# Allegro board DPU_PoE_A1_Oct-9-26.brd (continued)
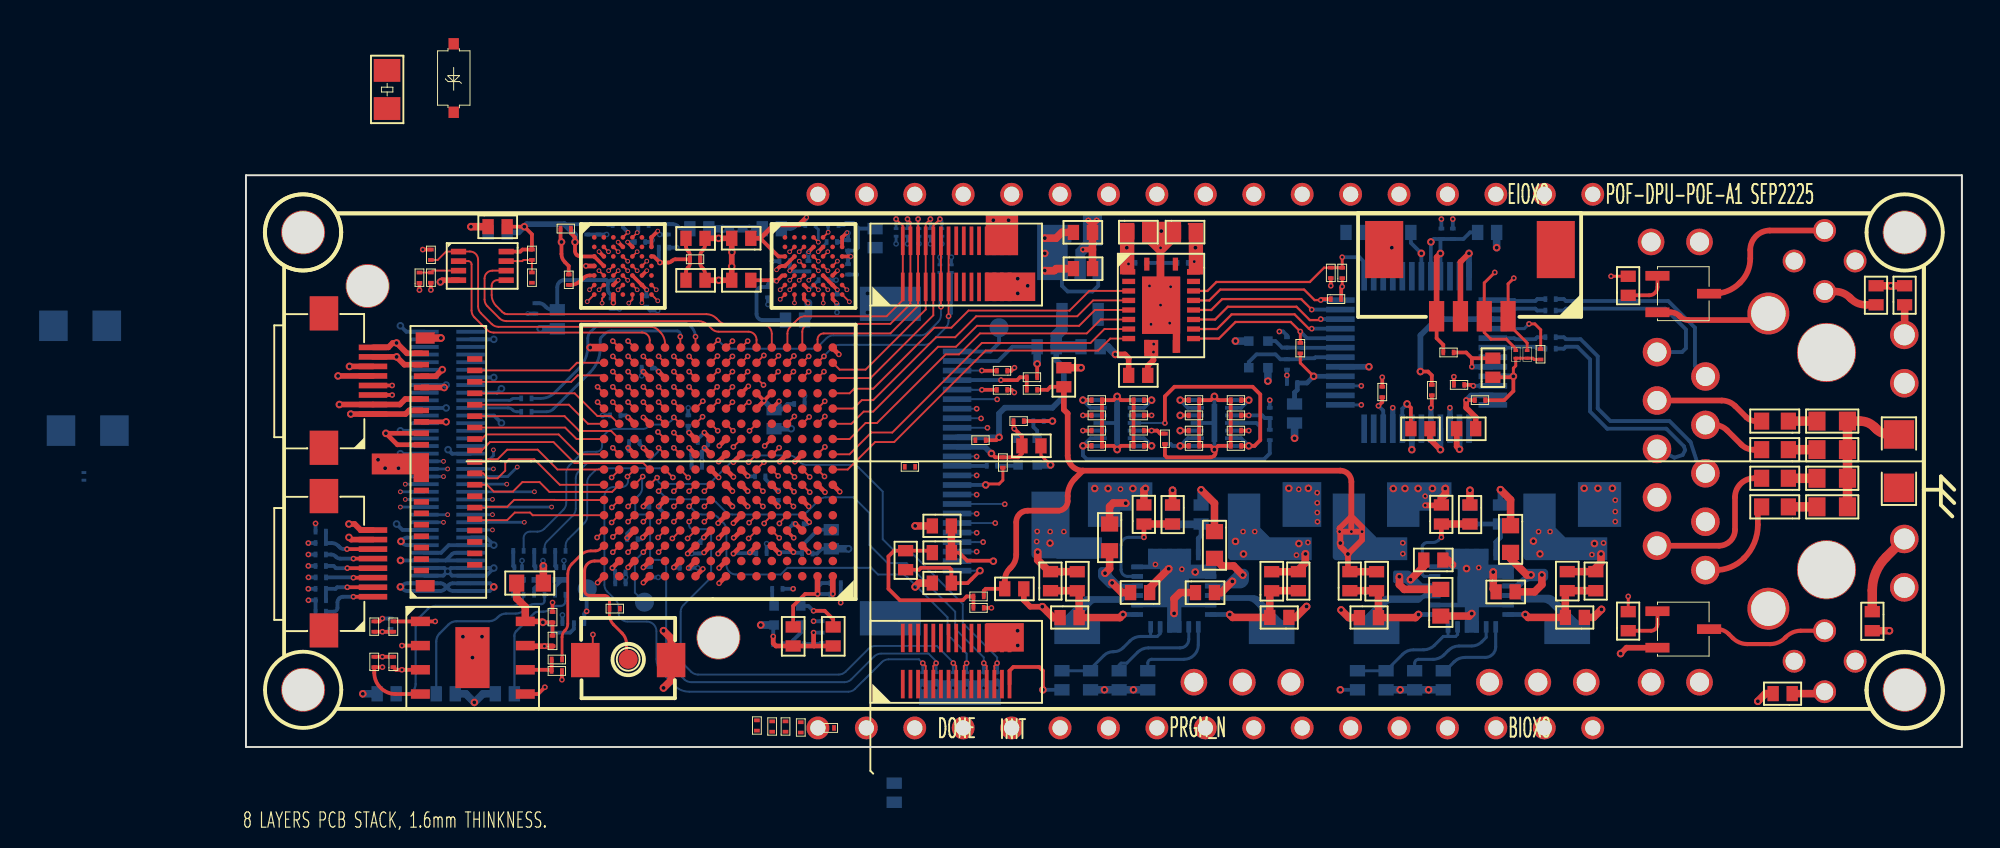
[diagram p0: board, top side]
## Routing (per net, layer and track width the routed paths; a pad name or vN(x,y) marks a point on that pad's centre or on a via; arc(x,y) is an arc through that point) (continued)
  BOTTOM w0.15: J7.23 v3(8.1,12.59)
IR_D6: length 6.8
  TOP w0.102: v1(24.04,11.82) U7.E9
  SIG-3 w0.102: 17.6,13.74 17.44,13.74 arc(17.25,13.7) 17.08,13.59 16.08,12.59 v3(16.03,12.59)
  BOTTOM w0.15: J7.24 v3(16.03,12.59)
IR_D7: length 15.3
  TOP w0.102: v1(19.18,14.14) 19.56,14.52 19.58,14.52
  SIG-3 w0.102: v1(19.18,14.14) 17.24,14.14 arc(17.05,14.1) 16.88,13.99 15.68,12.79 arc(15.47,12.65) 15.22,12.6 12.24,12.6 arc(11.99,12.65) 11.78,12.79 11.73,12.84 arc(11.56,12.95) 11.37,12.99 9.98,12.99 arc(9.77,12.9) 9.68,12.69 9.68,11.82 arc(9.65,11.75) 9.58,11.72 9.15,11.72 9.08,11.79 9.08,12.74 arc(9.01,12.92) 8.83,12.99 v3(8.36,12.99)
  BOTTOM w0.15: J7.25 v3(8.36,12.99)
IR_D8: length 15.3
  TOP w0.102: v1(24.04,13.42) U7.G9
  SIG-3 w0.102: v3(12.93,12.99) 15.12,12.99 arc(15.31,13.03) 15.48,13.14 16.73,14.39 arc(16.9,14.5) 17.09,14.54 19.01,14.54 19.79,14.54 19.88,14.62 20.21,14.62 20.29,14.54 20.59,14.54 20.64,14.59 20.98,14.59 21.02,14.54 22.56,14.54 22.72,14.39 22.89,14.39 23.04,14.54 23.82,14.54 23.83,14.54 24.16,14.54 24.17,14.54 24.24,14.54 arc(24.43,14.47) 24.5,14.28 24.5,13.7 24.22,13.42 v1(24.04,13.42)
  BOTTOM w0.15: J7.26 v3(12.93,12.99)
IR_D9: length 15.8
  TOP w0.102: v1(19.24,15.7) U7.J15
  SIG-3 w0.102: v3(8.1,13.39) 9.13,13.39 arc(9.2,13.36) 9.23,13.29 9.23,13.14 arc(9.26,13.07) 9.33,13.04 9.41,13.04 arc(9.47,13.05) 9.52,13.08 9.53,13.1 arc(9.57,13.15) 9.58,13.2 9.58,13.24 arc(9.62,13.35) 9.73,13.39 10.32,13.39 10.47,13.24 10.62,13.24 10.7,13.32 10.7,13.41 10.78,13.49 10.93,13.49 11.08,13.34 11.34,13.34 11.39,13.39 11.88,13.39 11.98,13.29 11.98,13.09 12.13,12.94 12.43,12.94 12.53,13.04 12.53,13.29 12.64,13.4 13.45,13.4 13.59,13.27 13.77,13.27 13.89,13.39 14.37,13.39 arc(14.56,13.43) 14.73,13.54 16.33,15.14 arc(16.5,15.25) 16.69,15.29 17.39,15.29 arc(17.43,15.3) 17.48,15.33 17.49,15.34 arc(17.52,15.38) 17.53,15.43 17.53,15.5 arc(17.54,15.55) 17.57,15.59 17.58,15.6 arc(17.62,15.63) 17.67,15.64 17.69,15.64 arc(17.74,15.63) 17.78,15.6 17.79,15.59 arc(17.82,15.55) 17.83,15.5 17.83,15.43 arc(17.84,15.38) 17.87,15.34 17.88,15.33 arc(17.93,15.3) 17.97,15.29 18.84,15.29 v1(19.24,15.7)
  BOTTOM w0.15: J7.27 v3(8.1,13.39)
IR_D10: length 15.5
  TOP w0.102: v1(25.57,15.74) 25.98,16.16
  SIG-3 w0.102: v3(15.13,13.39) 16.48,14.74 arc(16.64,14.85) 16.84,14.89 19.22,14.89 arc(19.27,14.9) 19.32,14.93 19.34,14.95 arc(19.38,14.98) 19.44,14.99 22.51,14.99 arc(22.57,14.98) 22.63,14.94 22.64,14.93 arc(22.7,14.89) 22.77,14.88 23.8,14.88 arc(24,14.91) 24.16,15.02 24.33,15.19 arc(24.5,15.3) 24.69,15.34 25.34,15.34 25.57,15.56 v1(25.57,15.74)
  BOTTOM w0.15: J7.28 v3(15.13,13.39)
IR_D11: length 15.8
  TOP w0.102: 21.98,16.16 v1(21.61,16.53)
  SIG-3 w0.102: v3(8.36,13.79) 12.97,13.79 arc(13.16,13.83) 13.33,13.94 13.55,14.16 arc(13.58,14.18) 13.62,14.19 14.17,14.19 arc(14.36,14.23) 14.53,14.34 16.53,16.34 arc(16.7,16.45) 16.89,16.49 21.57,16.49 v1(21.61,16.53)
  BOTTOM w0.15: J7.29 v3(8.36,13.79)
IR_D12: length 15.4
  TOP w0.102: v1(22.44,15.7) U7.J11
  SIG-3 w0.102: v1(22.44,15.7) 22.44,15.66 22.85,15.25 arc(23.19,15.11) 23.54,15.25 arc(23.61,15.35) 23.63,15.48 23.63,15.94 arc(23.6,16.01) 23.53,16.04 16.99,16.04 arc(16.8,16) 16.63,15.89 14.68,13.94 arc(14.51,13.83) 14.32,13.79 v3(13.68,13.79)
  BOTTOM w0.15: J7.30 v3(13.68,13.79)
IR_D13: length 15.1
  TOP w0.102: v1(21.64,17.3) U7.L12
  SIG-3 w0.102: v3(10.36,14.19) 12.92,14.19 arc(13.11,14.23) 13.28,14.34 14.08,15.14 arc(14.19,15.31) 14.23,15.5 14.23,16.33 arc(14.42,16.8) 14.89,16.99 arc(15.02,16.97) 15.12,16.9 arc(15.36,16.8) 15.59,16.9 15.83,17.14 arc(16.01,17.26) 16.21,17.3 19.04,17.3 arc(19.23,17.34) 19.38,17.44 19.48,17.54 arc(19.65,17.65) 19.84,17.69 21.25,17.69 v1(21.64,17.3)
  BOTTOM w0.15: J7.31 v3(10.36,14.19)
IR_D14: length 15.1
  TOP w0.102: 22.78,16.16 v1(22.44,16.5)
  SIG-3 w0.102: v1(22.44,16.5) 22.04,16.9 19.21,16.9 19.12,16.99 18.97,16.99 18.82,16.84 18.66,16.84 18.51,16.99 18.36,16.99 18.21,16.84 18.05,16.84 17.9,16.99 17.75,16.99 17.6,16.84 17.44,16.84 17.29,16.99 17.14,16.99 16.99,16.84 16.83,16.84 16.68,16.99 16.53,16.99 15.7,16.16 15.57,16.16 15.25,16.48 15.12,16.48 15.03,16.39 15.03,16.27 15.36,15.94 15.36,15.82 15.27,15.73 15.14,15.73 14.82,16.05 14.69,16.05 14.6,15.96 14.6,15.84 14.93,15.51 14.93,15.39 v3(14.23,14.69)
  BOTTOM w0.15: J7.32 13.73,14.19 v3(14.23,14.69)
IR_D15: length 15.1
  TOP w0.102: U7.M16 v1(18.44,18.1)
  SIG-3 w0.102: v1(18.44,18.1) 18.44,18.1 15.07,18.1 arc(14.93,18.13) 14.81,18.21 14.23,18.79 arc(14.06,18.9) 13.87,18.94 12.98,18.94 arc(12.77,18.85) 12.68,18.64 12.68,18.35 arc(12.64,18.16) 12.53,17.99 12.38,17.84 arc(12.27,17.67) 12.23,17.48 12.23,17.24 arc(12.38,16.89) 12.73,16.74 13.03,16.74 arc(13.24,16.65) 13.33,16.44 13.33,15.44 arc(13.24,15.23) 13.03,15.14 12.19,15.14 arc(12,15.1) 11.83,14.99 11.58,14.74 arc(11.41,14.63) 11.22,14.59 v3(10.58,14.59)
  BOTTOM w0.15: J7.33 v3(10.58,14.59)
IR_HSYNC: length 15.5
  TOP w0.102: v1(19.24,18.1) U7.M15
  SIG-3 w0.102: v1(19.24,18.1) 18.79,17.64 15.64,17.64 arc(15.58,17.63) 15.54,17.6 15.52,17.58 arc(15.48,17.55) 15.42,17.54 14.68,17.54 arc(14.61,17.57) 14.58,17.64 14.58,17.7 arc(14.55,17.83) 14.48,17.94 13.93,18.49 arc(13.63,18.61) 13.33,18.49 13.18,18.34 arc(13.15,18.27) 13.18,18.19 13.2,18.17 arc(13.34,18.07) 13.51,18.04 13.7,18.04 arc(13.82,18.02) 13.92,17.95 13.93,17.94 arc(13.97,17.84) 13.93,17.74 13.92,17.73 arc(13.82,17.66) 13.7,17.64 12.89,17.64 arc(12.81,17.62) 12.74,17.58 arc(12.69,17.45) 12.74,17.33 12.81,17.26 arc(12.89,17.21) 12.97,17.19 13.83,17.19 arc(13.9,17.16) 13.93,17.09 13.93,17.03 arc(13.9,16.9) 13.83,16.79 13.81,16.77 arc(13.73,16.66) 13.71,16.52 13.71,15.59 arc(13.65,15.29) 13.48,15.04 13.03,14.59 v3(12.98,14.59)
  BOTTOM w0.15: J7.34 v3(12.98,14.59)
IR_PCLK: length 15.2
  TOP w0.102: v1(20.04,18.1) U7.M14
  SIG-3 w0.102: v3(12.98,15.59) 12.98,15.89 arc(12.95,15.96) 12.88,15.99 12.18,15.99 arc(11.93,16.09) 11.83,16.34 11.83,17.64 arc(11.87,17.82) 11.97,17.98 11.99,18 arc(12.09,18.16) 12.13,18.34 12.13,19.14 arc(12.19,19.28) 12.33,19.34 14.12,19.34 arc(14.31,19.3) 14.48,19.19 15.03,18.64 arc(15.18,18.54) 15.37,18.5 19.64,18.5 v1(20.04,18.1)
  BOTTOM w0.15: J7.36 12.68,14.99 12.98,15.29 v3(12.98,15.59)
IR_PWR_EN: length 1.3
  TOP w0.2: R73.2 v1(52.6,16.6)
  BOTTOM w0.2: U5.5 v1(52.6,16.6)
IR_UART_RX: length 11
  TOP w0.102: v1(22.78,21.53) U7.T11
  BOTTOM w0.15: 22.78,21.49 v1(22.78,21.53) 22.78,21.67 arc(22.73,21.78) 22.62,21.83 19.18,21.83 arc(18.99,21.79) 18.82,21.68 18.62,21.48 arc(18.59,21.44) 18.58,21.38 18.58,20.93 arc(18.44,20.25) 18.06,19.67 16.13,17.74 arc(15.96,17.63) 15.77,17.59 R69.1
IR_UART_TX: length 11.9
  TOP w0.102: v1(23.58,21.53) U7.T10
  BOTTOM w0.15: R68.1 15.47,18.29 arc(15.86,18.37) 16.19,18.59 17.44,19.84 arc(17.8,20.38) 17.93,21.02 17.93,21.43 arc(17.97,21.62) 18.08,21.79 18.38,22.09 arc(18.6,22.24) 18.86,22.29 22.78,22.29 arc(23.35,22.06) 23.58,21.49
IR_VSYNC: length 15.1
  TOP w0.102: U7.N16 v1(18.44,18.9)
  SIG-3 w0.102: v1(18.44,18.9) 15.43,18.9 arc(15.29,18.92) 15.16,19.01 14.83,19.34 arc(14.72,19.51) 14.68,19.7 14.68,19.99 arc(14.61,20.17) 14.43,20.24 11.65,20.24 arc(11.53,20.19) 11.48,20.07 11.48,18.3 arc(11.44,18.11) 11.33,17.94 11.28,17.89 arc(11.17,17.72) 11.13,17.53 11.13,15.49 arc(10.98,15.14) 10.63,14.99 v3(10.36,14.99)
  BOTTOM w0.15: J7.35 v3(10.36,14.99)
JTAG_EN: length 27.4
  TOP w0.102: U7.D10 v1(23.16,10.94)
  TOP w0.2: J5.6 v1(5.3,10.38)
  SIG-6 w0.102: v1(5.3,10.38) 5.97,10.38 arc(6.17,10.42) 6.33,10.53 6.95,11.15 arc(7.34,11.41) 7.79,11.5 8.33,11.5 arc(8.73,11.67) 8.9,12.07 8.9,12.29 arc(8.94,12.48) 9.05,12.65 10.05,13.65 arc(10.22,13.76) 10.41,13.8 10.79,13.8 arc(10.98,13.84) 11.15,13.95 12.25,15.05 arc(12.42,15.16) 12.61,15.2 21.69,15.2 arc(22.11,15.12) 22.47,14.87 arc(22.72,14.51) 22.8,14.09 22.8,11.3 arc(22.9,11.05) 23.16,10.94 v1(23.16,10.94)
  BOTTOM w0.2: R90.2 R89.2 4.5,10.7 arc(4.68,10.66) 4.84,10.56 4.93,10.47 arc(5.03,10.41) 5.14,10.38 v1(5.3,10.38)
LD_3V3: length 2.4
  TOP w0.2: C101.2 v2(43.9,18.2)
  BOTTOM w0.2: U6.14 v2(43.9,18.2) 44.3,17.8 U6.13
LD_3V3_EN: length 1.3
  TOP w0.2: R70.2 v1(47.5,17.4)
  BOTTOM w0.2: U6.3 v1(47.5,17.4)
LINKLED: length 34.3
  SIG-6 w0.15: v1(58.5,17.95) 60.05,16.4 70.5,16.4 72.53,14.37 74.64,14.37 75.92,13.09 83.61,13.09 85.2,11.5 85.2,10.16 U13.14
  BOTTOM w0.15: U12.25 v1(58.5,17.95)
MCLK: length 7.2
  TOP w0.15: 18.78,10.52 18.71,10.52 18.58,10.39 arc(18.47,10.32) 18.33,10.29 18.09,10.29 arc(17.8,10.23) 17.56,10.07 17.1,9.61 arc(16.94,9.37) 16.88,9.08 16.88,6.46 arc(16.84,6.28) 16.74,6.12 16.72,6.1 arc(16.62,5.94) 16.58,5.76 R54.1
MCSN: length 14.1
  TOP w0.102: v1(19.24,10.22) U7.C15
  TOP w0.2: R51.1 U9.1 v1(9.93,6.59)
  SIG-6 w0.102: v1(19.24,10.22) 19.1,10.37 arc(18.95,10.47) 18.78,10.5 16.62,10.5 arc(16.24,10.34) 16.08,9.96 16.08,9.5 arc(16.02,9.2) 15.85,8.95 14.07,7.17 arc(13.66,6.9) 13.18,6.8 10.28,6.8 arc(10.15,6.77) 10.04,6.7 v1(9.93,6.59)
MD0: length 11.7
  TOP w0.102: v1(20.04,10.22) U7.C14
  TOP w0.2: v1(15.68,3.14) 15.32,2.78 U9.5
  SIG-6 w0.102: v1(15.68,3.14) 17.03,4.49 arc(17.14,4.65) 17.18,4.85 17.18,7.89 arc(17.39,8.39) 17.89,8.6 19.6,8.6 arc(19.91,8.73) 20.04,9.04 v1(20.04,10.22)
MD1: length 15
  TOP w0.102: v1(18.41,10.99) U7.D16
  TOP w0.2: U9.2 v1(8.18,5.32)
  SIG-6 w0.102: v1(8.18,5.32) 8.12,5.38 arc(8.09,5.45) 8.12,5.52 9.65,7.05 arc(9.82,7.16) 10.01,7.2 12.91,7.2 arc(13.35,7.29) 13.73,7.54 14.18,7.99 arc(14.46,8.4) 14.55,8.89 14.55,8.89 arc(14.56,8.93) 14.58,8.96 14.95,9.33 arc(15.11,9.56) 15.16,9.84 15.16,10.31 arc(15.2,10.5) 15.31,10.67 15.45,10.81 arc(15.61,10.92) 15.81,10.95 18.38,10.95 v1(18.41,10.99)
MD2: length 18.8
  TOP w0.102: v1(19.24,11.02) U7.D15
  TOP w0.2: U9.3 v1(8.18,4.05) 7.87,4.05 R55.1
  SIG-6 w0.102: v1(8.18,4.05) 7.87,4.36 arc(7.76,4.53) 7.72,4.72 7.72,5.61 arc(7.76,5.8) 7.87,5.97 9.35,7.45 arc(9.52,7.56) 9.71,7.6 12.67,7.6 arc(13.42,7.91) 13.73,8.66 13.73,9.52 arc(13.77,9.71) 13.88,9.88 15.15,11.15 arc(15.32,11.26) 15.51,11.3 17.5,11.3 arc(17.69,11.34) 17.86,11.45 18,11.59 arc(18.34,11.73) 18.67,11.59 v1(19.24,11.02)
MD3: length 12.7
  TOP w0.102: v1(21.61,10.99) U7.D12
  TOP w0.3: R52.1 v1(15.65,5.29) 14.68,5.29 U9.7
  SIG-6 w0.102: v1(21.61,10.99) 21.22,10.6 19.84,10.6 arc(19.69,10.54) 19.63,10.39 19.63,9.94 arc(19.59,9.83) 19.48,9.79 17.79,9.79 arc(17.6,9.75) 17.43,9.64 15.03,7.24 arc(14.92,7.07) 14.88,6.88 14.88,6.27 arc(14.92,6.08) 15.03,5.91 v1(15.65,5.29)
Net_105: length 0.5
  TOP w0.102: v1(30.36,17.34) 29.98,16.96
PROGRAM_N: length 33.3
  TOP w0.102: U7.C12 v1(21.64,10.22) ; SW1.2 17.8,5.01 18.19,5.41 18.19,5.89 v1(18.2,5.9)
  TOP w0.2: J5.2 v1(5.32,8.38)
  SIG-6 w0.102: v1(5.32,8.38) 6.11,8.38 arc(6.3,8.34) 6.47,8.23 6.65,8.05 arc(6.82,7.94) 7.01,7.9 8.4,7.9 arc(8.6,7.94) 8.76,8.05 9.17,8.45 arc(9.33,8.56) 9.53,8.6 10.59,8.6 arc(10.78,8.64) 10.95,8.75 11.75,9.55 arc(11.86,9.72) 11.9,9.91 11.9,11.29 arc(12.05,11.65) 12.41,11.8 13.39,11.8 arc(13.58,11.84) 13.75,11.95 13.95,12.15 arc(14.12,12.26) 14.31,12.3 15.37,12.3 arc(15.49,12.28) 15.59,12.21 15.61,12.19 arc(15.71,12.12) 15.83,12.1 16.29,12.1 arc(16.48,12.14) 16.65,12.25 17.35,12.95 arc(17.41,12.99) 17.47,13 19.26,13 arc(19.5,12.9) 19.6,12.66 19.6,12.59 arc(19.71,12.31) 19.99,12.2 20.01,12.2 arc(20.29,12.09) 20.4,11.81 20.4,11.79 arc(20.51,11.51) 20.79,11.4 21.61,11.4 arc(21.89,11.29) 22,11.01 22,10.81 arc(21.96,10.62) 21.85,10.45 21.64,10.24 v1(21.64,10.22) 21.64,8.75 arc(21.6,8.56) 21.49,8.39 19.15,6.05 arc(18.98,5.94) 18.79,5.9 v1(18.2,5.9)
  BOTTOM w0.2: v1(5.32,8.38) 4.78,8.38 4.7,8.3 C58.2 4.19,7.71 R50.1
PWR_EN_EXT: length 23.1
  TOP w0.2: J4.29 40.05,4 40.25,4.2 41.6,4.2 41.8,4 v2(41.8,3)
  SIG-6 w0.2: v2(41.8,3) 42.99,3 arc(43.37,3.08) 43.69,3.29 45.01,4.61 arc(45.33,4.82) 45.71,4.9 56.3,4.9 arc(56.72,4.72) 56.9,4.3 56.9,3.83 arc(56.96,3.53) 57.14,3.26 v2(57.4,3)
  BOTTOM w0.2: R2.2 v2(57.4,3) ; R36.2 v2(41.8,3)
RN: length 12.8
  BOTTOM w0.2: U13.6 76.26,14.51 75.77,16 75.7,16.06 74.67,17.1 71.57,17.1 70.9,17.77 70.9,20.5 70,21.4 69.23,21.4 69.13,21.5 R25.1
RP: length 12.5
  BOTTOM w0.2: U13.5 74.92,15.18 75.36,15.32 75.49,15.58 75.42,15.78 74.5,16.7 71.4,16.7 70.5,17.6 70.5,20.33 69.83,21 69.23,21 69.13,20.9 R27.1
SPARE7: length 15.5
  TOP w0.3: U13.9 77.26,10.56 arc(77.85,10.81) 78.1,11.4 78.1,13.1 arc(78.39,13.81) 79.1,14.1 C39.2
  VCC-4 w0.6: J13.1 73.7,10.25 U13.9
SPARE8: length 11.2
  TOP w0.3: C42.2 79.37,12.47 arc(79.32,12.39) 79.3,12.3 79.3,11.66 arc(79.11,10.71) 78.57,9.91 arc(77.88,9.44) 77.07,9.28 U13.10
  VCC-4 w0.6: J13.2 76.24,8.97 U13.10
SPI_CS: length 16.4
  TOP w0.102: 21.98,20.92 U7.T12 21.98,21.18 arc(21.92,21.49) 21.74,21.75 21.6,21.9 arc(21.43,22.01) 21.24,22.05 13.25,22.05 arc(13.05,22.08) 12.89,22.19 12.32,22.76 arc(12.21,22.92) 12.18,23.12 12.18,25.57 arc(12.05,25.87) 11.75,26 11.16,26 U4.1 10.49,25.99 10.06,25.56 R11.2
SPI_SCK: length 18.1
  TOP w0.102: 26.78,20.92 U7.T6 26.78,21.37 arc(26.66,21.67) 26.36,21.79 24.79,21.79 arc(24.6,21.83) 24.43,21.94 24.23,22.14 arc(24,22.29) 23.73,22.35 13.65,22.35 arc(13.46,22.39) 13.29,22.5 12.66,23.13 arc(12.55,23.29) 12.52,23.49 12.52,24.59 arc(12.63,24.87) 12.92,24.99 U4.6
SPI_SI: length 17.9
  TOP w0.102: U4.5 13.18,24.49 arc(12.97,24.41) 12.89,24.2 12.89,23.72 arc(12.95,23.41) 13.13,23.14 13.43,22.84 arc(13.48,22.79) 13.55,22.75 13.56,22.74 arc(13.63,22.72) 13.7,22.71 24.15,22.71 arc(24.44,22.65) 24.68,22.49 24.83,22.34 arc(25,22.23) 25.19,22.19 27.07,22.19 arc(27.43,22.04) 27.58,21.68 U7.T5 27.58,20.92
SPI_SO: length 13.7
  TOP w0.102: U7.T13 21.18,21.34 arc(21.06,21.63) 20.78,21.74 12.99,21.74 arc(12.8,21.78) 12.63,21.89 11.98,22.55 arc(11.87,22.71) 11.83,22.9 11.83,25.33 arc(11.78,25.44) 11.67,25.49 U4.2
SYNC-1: length 6
  TOP w0.25: v1(47.1,11) R58.1
  TOP w0.4: R57.2 R58.1
  BOTTOM w0.16: v1(47.1,11) 46.3,11 arc(46.02,10.88) 45.9,10.6 45.9,9.3 arc(46,9.05) 46.25,8.95 U14.11
SYNC-2: length 5.6
  TOP w0.25: v1(62.7,11) R19.1
  TOP w0.4: R19.1 R18.2
  BOTTOM w0.16: v1(62.7,11) 62.55,10.85 arc(62.42,10.76) 62.26,10.73 61.96,10.73 arc(61.87,10.71) 61.79,10.66 61.7,10.57 61.7,9.05 61.8,8.95 U11.11
SYS_CLK: length 4.4
  TOP w0.18: U7.D4 28.38,11.33 v1(28.73,10.98)
  SIG-3 w0.2: v1(28.73,10.98) 29.02,10.98 29.3,10.7 29.3,8.9 v1(28.7,8.3)
  BOTTOM w0.2: R38.2 v1(28.7,8.3)
TCK: length 20.4
  TOP w0.102: U7.F14 v1(20.04,12.62)
  TOP w0.2: J5.3 v1(5.64,8.88)
  SIG-6 w0.102: v1(5.64,8.88) 5.65,8.9 8.57,8.9 arc(8.69,8.92) 8.79,8.99 8.81,9.01 arc(8.91,9.08) 9.03,9.1 9.31,9.1 9.32,9.1 9.53,9.1 9.53,9.1 10.19,9.1 arc(10.39,9.14) 10.55,9.25 11.35,10.05 arc(11.46,10.22) 11.5,10.41 11.5,11.59 arc(11.54,11.78) 11.65,11.95 12.15,12.45 arc(12.32,12.56) 12.51,12.6 13.47,12.6 arc(13.59,12.62) 13.69,12.69 13.71,12.71 arc(13.81,12.78) 13.93,12.8 15.19,12.8 arc(15.38,12.84) 15.55,12.95 15.85,13.25 arc(16.02,13.36) 16.21,13.4 19.29,13.4 arc(19.82,13.18) 20.04,12.65 v1(20.04,12.62)
  BOTTOM w0.2: R86.1 5.62,8.9 v1(5.64,8.88)
TDI: length 24.2
  TOP w0.102: U7.F11 v1(22.44,12.62)
  TOP w0.2: J5.5 v1(5.64,9.88)
  SIG-6 w0.102: v1(22.44,12.62) 22.38,12.62 arc(22.11,12.73) 22,13 22,14.36 arc(21.87,14.67) 21.56,14.8 15.77,14.8 arc(15.57,14.76) 15.41,14.65 15.18,14.42 arc(15.01,14.31) 14.82,14.27 13.38,14.27 arc(13.28,14.25) 13.19,14.19 13.18,14.18 arc(13.09,14.12) 12.99,14.1 12.21,14.1 arc(12.02,14.06) 11.85,13.95 11.35,13.45 arc(11.18,13.34) 10.99,13.3 10.71,13.3 arc(10.52,13.26) 10.35,13.15 9.55,12.35 arc(9.44,12.18) 9.4,11.99 9.4,11.11 arc(9.17,10.57) 8.62,10.34 7.95,10.34 arc(7.76,10.3) 7.59,10.19 7.43,10.03 arc(7.27,9.92) 7.07,9.88 v1(5.64,9.88)
  BOTTOM w0.2: v1(5.64,9.88) 4.95,9.88 arc(4.83,9.91) 4.72,9.98 4.69,10.01 arc(4.59,10.08) 4.47,10.1 R88.2
TDO: length 20.6
  TOP w0.102: U7.E14 v1(20.04,11.82)
  TOP w0.2: J5.1 v1(5.64,7.88)
  SIG-6 w0.102: v1(20.04,11.82) 19.85,11.82 arc(19.69,11.85) 19.56,11.94 19.52,11.98 arc(19.35,12.09) 19.16,12.13 18.01,12.13 arc(17.82,12.09) 17.65,11.98 17.52,11.85 arc(17.35,11.74) 17.16,11.7 15.31,11.7 arc(15.12,11.66) 14.95,11.55 14.55,11.15 arc(14.38,11.04) 14.19,11 12.9,11 arc(12.55,10.85) 12.4,10.5 12.4,9.61 arc(12.36,9.42) 12.25,9.25 11.35,8.35 arc(11.18,8.24) 10.99,8.2 9.71,8.2 arc(9.52,8.16) 9.35,8.05 8.95,7.65 arc(8.78,7.54) 8.59,7.5 6.61,7.5 arc(6.42,7.54) 6.25,7.65 6.14,7.76 arc(6,7.85) 5.84,7.88 v1(5.64,7.88)
  BOTTOM w0.2: v1(5.64,7.88) 5.09,7.88 arc(4.99,7.86) 4.91,7.81 4.88,7.78 arc(4.82,7.69) 4.8,7.59 4.8,7.3 arc(4.74,7.16) 4.6,7.1 R85.2
TMS: length 23.7
  TOP w0.102: U7.E11 v1(22.44,11.82)
  TOP w0.2: J5.4 v1(5.32,9.38)
  SIG-6 w0.102: v1(22.44,11.82) 22.38,11.82 20.65,13.55 arc(20.48,13.66) 20.29,13.7 19.11,13.7 arc(18.92,13.74) 18.75,13.85 18.55,14.05 arc(18.38,14.16) 18.19,14.2 16.01,14.2 arc(15.82,14.16) 15.65,14.05 15.55,13.95 arc(15.38,13.84) 15.19,13.8 14.71,13.8 arc(14.52,13.76) 14.35,13.65 14,13.3 arc(13.7,13.18) 13.4,13.3 13.34,13.36 arc(13.3,13.39) 13.24,13.4 12.61,13.4 arc(12.42,13.36) 12.25,13.25 11.25,12.25 arc(11.14,12.08) 11.1,11.89 11.1,11.31 arc(11.06,11.12) 10.95,10.95 9.75,9.75 arc(9.58,9.64) 9.39,9.6 8.91,9.6 arc(8.72,9.56) 8.55,9.45 8.53,9.43 arc(8.36,9.32) 8.17,9.28 7.06,9.28 arc(7.03,9.29) 6.99,9.31 arc(6.89,9.38) 6.77,9.4 5.33,9.4 v1(5.32,9.38)
  BOTTOM w0.2: v1(5.32,9.38) 4.72,9.38 4.6,9.5 R87.2
TN: length 10.7
  BOTTOM w0.2: U13.2 76,19.99 76,22 74.6,23.4 69.23,23.4 69.13,23.5 R20.1
TP: length 9.9
  BOTTOM w0.2: U13.1 75.33,20.72 75.53,20.92 75.53,21.91 74.43,23 69.23,23 69.13,22.9 R22.1
TP_P2: length 0.5
  TOP w0.102: v1(30.32,19.7) U7.P2
UPLD_TXD1: length 51
  TOP w0.102: v1(27.92,14.22) U7.H5
  TOP w0.157: R5.2 v1(71.6,24.7)
  SIG-3 w0.102: v1(71.6,24.7) 68.1,24.7 65.8,22.4 58.7,22.4 57.5,21.2 53.4,21.2 52.2,20 47,20 46.6,20.4 46.6,20.9 45.9,21.6 38.3,21.6 31.4,14.7 28.51,14.7 28.03,14.22 v1(27.92,14.22)
UPLD_TXD2: length 60.6
  TOP w0.157: R59.2 v1(72.5,7.9) ; U7.G4 v1(28.75,13.39)
  SIG-3 w0.102: v1(72.5,7.9) 71.7,8.7 70,8.7 69.3,9.4 69.3,12.4 68.7,13 68.7,18.9 65.8,21.8 59.1,21.8 57.9,20.6 53.8,20.6 52.6,19.4 45.4,19.4 44.1,20.7 38.3,20.7 31.37,13.77 29.07,13.77 28.75,13.45 v1(28.75,13.39)
N760129: length 4.4
  TOP w0.2: FB1.2 C26.2 40.6,19.4 40.45,19.25 v1(39.6,19.25)
  BOTTOM w0.2: J6.4 v1(39.6,19.25)
N760503: length 9.6
  TOP w0.2: C56.2 FB3.2 37.8,7.9 37.6,7.7 34.3,7.7 33.7,8.3 33.7,10 34,10.3 R43.1 35.9,10.3 R44.1
N762812: length 1.5
  BOTTOM w0.2: R28.1 R32.1 41.3,16.8 41.5,16.6 Y3.1
N763219: length 1.1
  BOTTOM w0.2: Y3.3 40.45,14.76 R30.1
N900708: length 2
  TOP w0.2: R54.2 16.04,4 R56.1 15.97,4.05 U9.6
N925866: length 0.6
  TOP w0.102: v1(26.36,14.94) U7.J6
N990170: length 1.7
  BOTTOM w0.2: R37.1 R39.1 28.7,5.6 29.1,6 Y4.1
N990230: length 0.9
  BOTTOM w0.2: R38.1 27.6,7.5 Y4.3
N1026841: length 2.1
  TOP w0.102: U4.3 9.79,24.99 R13.1 9.69,24.89 R12.2
N1026851: length 2
  TOP w0.102: U4.7 14.49,25.49 14.56,25.56 R14.2 R15.1
N1402837: length 0.5
  TOP w0.102: v1(28.77,17.34) U7.L4
N1593173: length 10.9
  BOTTOM w0.12: D18.1 8.39,2.79 arc(8.75,2.94) 8.9,3.3 8.9,6.35 arc(8.95,6.58) 9.08,6.78 9.52,7.22 arc(9.72,7.35) 9.95,7.4 13.97,7.4 arc(14.39,7.57) R83.2
N1593177: length 9.6
  BOTTOM w0.12: R82.2 15.66,7.66 arc(15.61,7.55) 15.5,7.5 15.15,7.5 arc(14.92,7.45) 14.72,7.32 14.58,7.18 arc(14.38,7.05) 14.15,7 13.65,7 arc(13.42,6.95) 13.22,6.82 13.18,6.78 arc(12.98,6.65) 12.75,6.6 11.05,6.6 arc(10.82,6.55) 10.62,6.42 10.16,5.96 arc(10.03,5.76) 9.98,5.53 D19.1
N1593181: length 6.9
  BOTTOM w0.12: R81.2 16.76,7.66 arc(16.68,7.48) 16.5,7.4 16.29,7.4 arc(16.11,7.37) 15.97,7.27 15.94,7.24 arc(15.78,7.14) 15.6,7.1 15.35,7.1 arc(15.21,7.07) 15.09,6.99 14.19,6.09 arc(14.11,5.97) 14.08,5.83 D17.1
N1593233: length 0.9
  BOTTOM w0.2: R83.1 14.02,8.41 14.28,8.68 Q5.3
N1593237: length 0.9
  BOTTOM w0.2: R82.1 15.12,8.32 15.38,8.58 Q4.3
N1593241: length 0.9
  BOTTOM w0.2: R81.1 16.21,8.41 16.48,8.68 Q3.3
N1593321: length 0.9
  BOTTOM w0.2: Q5.1 14.02,9.49 R80.2
N1593325: length 0.9
  BOTTOM w0.2: R79.2 15.12,9.49 Q4.1
N1593329: length 0.9
  BOTTOM w0.2: Q3.1 16.22,9.49 R78.2
N1609517: length 3.2
  BOTTOM w0.25: C143.2 50.1,11.1 49.95,10.95 U14.18
  BOTTOM w0.4: R84.1 50.09,11.68 C143.2
N1613601: length 6
  TOP w0.4: v2(46,6.95) 45.84,6.79 R41.2 43.7,8.09 C53.1 43.59,8.2 R47.1
  BOTTOM w0.25: U14.7 v2(46,6.95)
N1616768: length 6
  TOP w0.4: v2(51.6,6.95) 51.75,6.8 R40.2 53.7,8.09 C52.1 53.8,8.2 R46.1
  BOTTOM w0.25: U14.24 v2(51.6,6.95)
N1627713: length 5.2
  BOTTOM w0.16: R77.1 45.8,4.3 45.9,4.4 46.2,4.4 46.77,4.97 arc(47.03,5.14) 47.33,5.2 49,5.2 arc(49.32,5.33) 49.45,5.65 U14.2
N1630418: length 4.5
  BOTTOM w0.16: U14.1 49.95,5.35 arc(49.73,4.82) 49.2,4.6 47.5,4.6 arc(47.36,4.54) 47.3,4.4 R76.1
N2071767: length 5.2
  BOTTOM w0.16: U11.2 65.05,5.75 64.81,5.51 arc(64.58,5.36) 64.3,5.3 63.63,5.3 arc(63.33,5.24) 63.07,5.07 62.83,4.83 arc(62.57,4.66) 62.27,4.6 61.5,4.6 arc(61.36,4.54) 61.3,4.4 R66.1
N2071821: length 5.9
  TOP w0.4: v2(61.5,6.95) 61.34,6.79 R4.2 59.4,8.09 C16.1 59.3,8.2 R9.1
  BOTTOM w0.25: U11.7 v2(61.5,6.95)
N2072037: length 3.3
  BOTTOM w0.25: U11.18 65.55,10.75 65.8,11 C95.2 R67.1
N2072181: length 4.4
  BOTTOM w0.16: U11.1 65.55,5.25 arc(65.39,4.86) 65,4.7 63.93,4.7 arc(63.63,4.64) 63.37,4.47 62.9,4 R65.1
N2072229: length 6
  TOP w0.4: v2(67.1,6.95) 67.25,6.8 R3.2 69.2,8.1 C15.1 R8.1
  BOTTOM w0.25: U11.24 v2(67.1,6.95)
N2690332: length 3.2
  BOTTOM w0.2: J6.1 39.05,20.75 39.5,21.2 TP7.1
N2822398: length 2.7
  BOTTOM w0.15: R69.2 14.21,17.59 arc(14.09,17.61) 13.99,17.68 13.97,17.7 arc(13.87,17.77) 13.75,17.79 J7.50
N2822416: length 2.7
  BOTTOM w0.15: R68.2 14.04,18.29 arc(13.98,18.28) 13.94,18.25 13.92,18.23 arc(13.88,18.2) 13.82,18.19 J7.52
N2837557: length 1.4
  TOP w0.2: C110.2 v2(49,17.4)
  BOTTOM w0.2: U5.12 v2(49,17.4)
N2837561: length 1.4
  TOP w0.2: C115.2 v2(49,16.6)
  BOTTOM w0.2: U5.10 v2(49,16.6)
N2851475: length 1.4
  TOP w0.2: C109.2 v1(43.9,17.4)
  BOTTOM w0.2: U6.12 v1(43.9,17.4)
N2851539: length 1.4
  TOP w0.2: C114.2 v1(43.9,16.6)
  BOTTOM w0.2: U6.10 v1(43.9,16.6)
N2872165: length 5.7
  TOP w0.2: R44.2 37.4,10.2 37.83,9.77 39.17,9.77 v2(39.2,9.75)
  TOP w0.4: R45.2 R44.2
  BOTTOM w0.102: J6.23 v2(39.2,9.75)
N2872169: length 6.2
  TOP w0.2: R43.2 35.3,9.3 35.4,9.4 36.9,9.4 37,9.3 R42.2 37.85,8.6 v2(38.5,9.25)
  BOTTOM w0.102: J6.24 v2(38.5,9.25)
N2902183: length 2.8
  BOTTOM w0.2: R20.2 67.73,23.5 67.63,23.4 66.58,23.4 66.53,23.45 U12.1
N2902195: length 2.8
  BOTTOM w0.2: U12.2 66.53,22.95 66.58,23 67.63,23 67.73,22.9 R22.2
N2902207: length 2.8
  BOTTOM w0.2: R25.2 67.73,21.5 67.63,21.4 66.58,21.4 66.53,21.45 U12.5
N2902219: length 2.8
  BOTTOM w0.2: U12.6 66.53,20.95 66.58,21 67.63,21 67.73,20.9 R27.2
N2910858: length 1.5
  TOP w0.2: v1(64.37,18.95) 64.32,19 R33.1
  BOTTOM w0.2: U12.10 v1(64.37,18.95)
N2920519: length 2.8
  TOP w0.2: C44.1 61.1,17.8 v2(60.9,18)
  BOTTOM w0.2: v2(60.9,18) 60.65,17.75 U12.20
N2922742: length 1.8
  TOP w0.2: v1(59.4,17.9) 59.6,18.1 C43.2
  BOTTOM w0.2: U12.22 59.65,17.65 v1(59.4,17.9)
N2933507: length 3.9
  BOTTOM w0.2: U12.31 57.39,20.94 R29.2 55.39,20.96 C32.2 54.34,20.96 54,21.3 Y2.3
N2934366: length 5.4
  BOTTOM w0.2: Y2.1 52.6,20.2 53,20.6 54,20.6 54.26,20.34 C38.2 55.34,20.34 R29.1 56.05,20.4 56.1,20.45 U12.30
N2966266: length 4.4
  TOP w0.5: R49.1 85.3,8.22 arc(85.49,9.16) 86.02,9.95 U13.13
N2966270: length 1.6
  TOP w0.4: U13.11 87,21.64 R7.1
N2982594: length 7.4
  TOP w0.5: C35.2 86.2,16.4 arc(85.83,16.47) 85.52,16.68 85.41,16.79 arc(85.07,17.02) 84.66,17.1 R23.2 R26.2 R31.2 R34.2
N3194519: length 8.1
  TOP w0.3: LD1.2 79.92,27.1 arc(79.2,26.8) 78.9,26.08 78.9,25.62 arc(78.77,24.96) 78.39,24.39 78.34,24.34 arc(77.72,23.93) 76.99,23.79 Q1.3
N3194698: length 2.9
  TOP w0.4: LD1.1 83.34,23.9 arc(83.77,23.82) 84.12,23.58 84.18,23.52 arc(84.53,23.28) 84.95,23.2 R6.1
N3194743: length 2.4
  TOP w0.2: R5.1 73.6,23.7 arc(73.91,23.83) 74.03,24.13 Q1.1
N3194934: length 1.7
  TOP w0.4: LD2.1 82.7,2.8 R60.1
N3195021: length 6.5
  TOP w0.22: LD2.2 81.56,6.1 arc(81.13,6.02) 80.78,5.78 80.72,5.72 arc(80.37,5.48) 79.94,5.4 78.76,5.4 arc(78.33,5.48) 77.98,5.72 77.77,5.93 arc(77.49,6.12) 77.15,6.18 76.74,6.18
N3195213: length 2.4
  TOP w0.2: R59.1 73.7,6.1 arc(73.94,6.2) 74.03,6.43 Q2.1
N29811470: length 1.5
  TOP w0.5: C28.1 R23.1
N29812170: length 1.5
  TOP w0.5: C33.1 R26.1
N29812430: length 1.5
  TOP w0.5: C39.1 R31.1
N29812690: length 1.5
  TOP w0.5: C42.1 R34.1

## Copper pours and planes (outline as drawn; the poured copper is in the pictures)
GND on TOP (solid shape): 40.5,25.8 38.8,25.8 38.8,27.9 40.5,27.9
GND on TOP (solid shape): 49.05,26.39 48.63,26.39 48.17,25.93 48.17,24.68 49,24.68 49,20.68 48.61,20.68 48.61,21.68 47,21.68 47,24.68 47.76,24.68 47.76,25.93 47.3,26.39 47,26.39 47,27.56 49.05,27.56
GND on BOTTOM (solid shape): 39.6,2.2 35.3,2.2 35.3,3.5 39.6,3.5
GND on BOTTOM (solid shape): 56.4,11.55 54.37,11.55 54.37,13.9 56.4,13.9
GND on BOTTOM (solid shape): 72.13,11.55 69.86,11.55 69.86,13.9 72.13,13.9
